# Altium PCB OECU_BASE.PcbDoc (part 4 of 6) (continued)
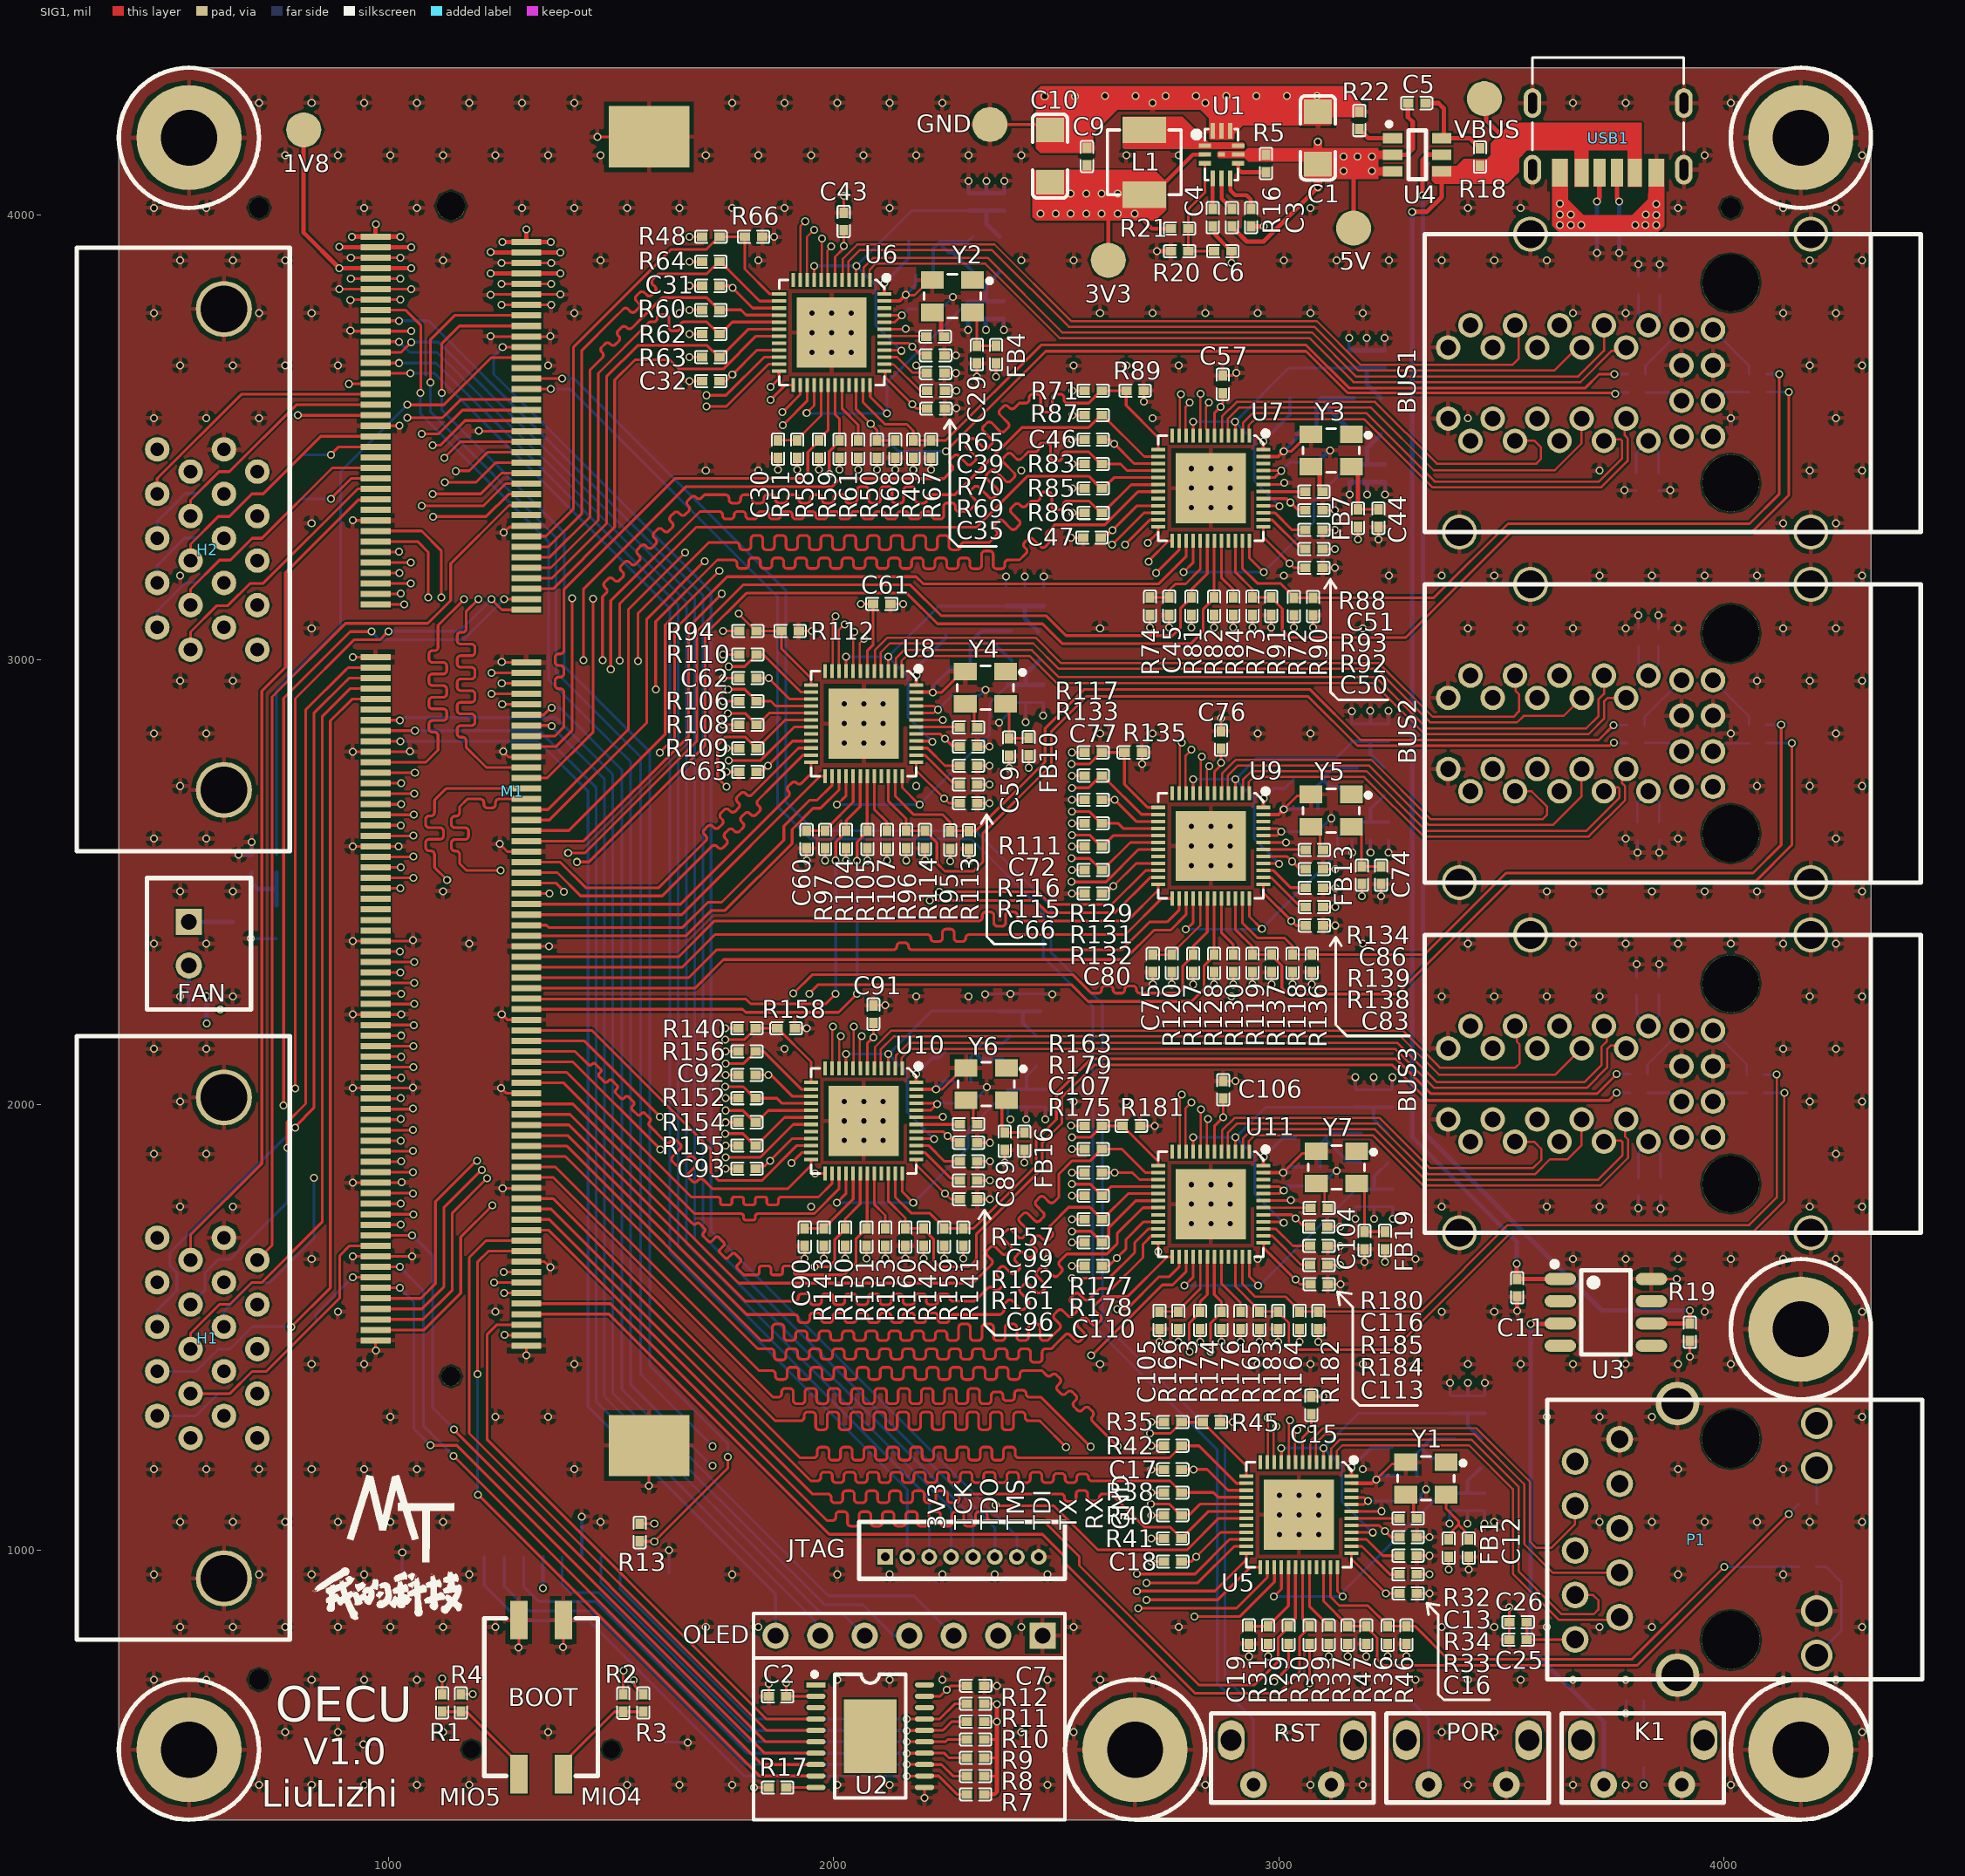
[diagram p0: SIG1 view]
## Nets (pads, with @x,y where several pads share a name; then routed paths per layer and width w, separated by ;. In a path a pad name is that pad's centre, name@x,y a point inside that pad or via, vN(x,y) a via of type N, cw(c..) or ccw(c..) an arc to the next point about the centre after c; other vN are vias at no path point) (continued)
IO35_9N: M1.153 U10.19 | length 1083.1
  SIG1 w6.16: M1.153@970.71,2061.33 1027.67,2061.33 v1(1028,2061) ; v1(1757,1882.5) 1835.48,1882.5 1845.38,1892.4 1909.13,1956.13 U10.19@1949.28,1956.13
  SIG2 w5.61: v1(1028,2061) 1268.5,2061 1296.57,2032.93 1606.57,2032.93 v1(1757,1882.5)
IO35_9P: M1.151 R155.1 U10.18 | length 1082.5
  SIG1 w6.16: M1.151@970.71,2084.96 v1(1056,2085) v1(1056,2085) ; v1(1756.5,1935.5) 1796.22,1935.5 1822.72,1909 R155.1@1824.68,1909 1826.65,1909 1889.53,1971.87 U10.18@1949.28,1971.87
  SIG2 w5.61: v1(1056,2085) 1269.86,2085 1303.36,2051.5 1649,2051.5 1727.5,1973 1727.5,1964.5 v1(1756.5,1935.5)
IO35_10N: M1.140 R105.1 U8.31 | length 1262
  SIG1 w6.16: M1.140@1309.29,2214.88 1795.38,2214.88 1802.26,2208 2011,2208 v1(2052.5,2249.5) ; v1(2052.5,2548.5) 2052.5,2590.53 2075.26,2613.29 U8.31@2075.26,2738.78
  SIG3 w6.16: v1(2052.5,2249.5) v1(2052.5,2548.5)
IO35_10P: M1.138 R104.1 U8.30 | length 1222.8
  SIG1 w6.16: M1.138@1309.65,2238.14 1802.36,2238.14 1813.5,2227 1982,2227 v1(2004.5,2249.5) ; v1(2004.5,2549) 2004.5,2590.53 2021.24,2607.27 R104.1@2028,2614.03 ; R104.1@2028,2616 R104.1@2028,2614.03 ; U8.30@2059.51,2738.78 2059.51,2670.35 2028,2638.83 R104.1@2028,2614.03
  SIG3 w6.16: v1(2004.5,2249.5) v1(2004.5,2549)
IO35_11N: M1.114 U8.23 | length 872.3
  SIG1 w6.16: M1.114@1309.29,2521.97 1379.03,2521.97 1431.42,2469.58 1614.74,2469.58 1705.56,2560.4 1726.23,2581.08 cw(c1731.78,2575.53) 1737.33,2581.08 1740.37,2578.03 ccw(c1745.92,2583.58) 1751.47,2578.03 1758.87,2585.43 ccw(c1753.32,2590.98) 1758.87,2596.53 1755.83,2599.57 cw(c1761.38,2605.12) 1755.83,2610.67 1763.23,2618.07 cw(c1768.78,2612.52) 1774.33,2618.07 1777.37,2615.03 ccw(c1782.92,2620.58) 1788.47,2615.03 1795.87,2622.43 ccw(c1790.32,2627.98) 1795.87,2633.53 1792.82,2636.57 cw(c1798.37,2642.12) 1792.82,2647.67 1800.22,2655.07 cw(c1805.77,2649.52) 1811.32,2655.07 1814.37,2652.02 ccw(c1819.91,2657.57) 1825.46,2652.02 1832.86,2659.42 ccw(c1827.31,2664.97) 1832.86,2670.52 1829.82,2673.57 cw(c1835.37,2679.11) 1829.82,2684.66 1863.76,2718.6 1931.18,2786.02 U8.23@1949.28,2786.02
IO35_11P: M1.112 U8.22 | length 873.3
  SIG1 w6.16: M1.112@1309.29,2545.59 1385.41,2545.59 1442.94,2488.06 1607.08,2488.06 1710.26,2591.24 1712.44,2593.42 ccw(c1706.89,2598.97) 1712.44,2604.52 1709.4,2607.56 cw(c1714.94,2613.11) 1709.4,2618.66 1716.79,2626.06 cw(c1722.34,2620.51) 1727.89,2626.06 1730.94,2623.01 ccw(c1736.49,2628.56) 1742.04,2623.01 1749.43,2630.41 ccw(c1743.89,2635.96) 1749.43,2641.51 1746.39,2644.56 cw(c1751.94,2650.1) 1746.39,2655.65 1753.79,2663.05 cw(c1759.34,2657.5) 1764.89,2663.05 1767.93,2660.01 ccw(c1773.48,2665.56) 1779.03,2660.01 1786.43,2667.41 ccw(c1780.88,2672.96) 1786.43,2678.51 1783.39,2681.55 cw(c1788.94,2687.1) 1783.39,2692.65 1790.79,2700.05 cw(c1796.34,2694.5) 1801.88,2700.05 1804.93,2697.01 ccw(c1810.48,2702.55) 1816.03,2697.01 1829.7,2710.67 1920.79,2801.77 U8.22@1949.28,2801.77
IO35_12N: M1.126 U8.27 | length 887.9
  SIG1 w6.16: M1.126@1309.29,2380.23 1668.23,2380.23 1725,2437 1756,2437 1906.5,2587.5 1906.5,2619 1954.02,2666.52 1970.65,2666.52 2012.27,2708.13 U8.27@2012.27,2738.78
IO35_12P: M1.124 U8.26 | length 860.5
  SIG1 w6.16: M1.124@1309.29,2403.85 1354.15,2403.85 1359.29,2398.71 1660.58,2398.71 1717.35,2455.48 1748.35,2455.48 1888.02,2595.15 1888.02,2626.65 1946.37,2685 1963,2685 1996.52,2718.52 U8.26@1996.52,2738.78
IO35_13N: M1.59 R110.1 U8.14 | length 1241.4
  SIG1 w6.16: M1.59@970.71,3266.06 1064.94,3266.06 1089,3242 v1(1089,3140) ; v1(1764.2,2985) 1799.69,2985 R110.1@1826.68,3012 1842,3012 1926.24,2927.76 U8.14@1949.28,2927.76
  SIG2 w5.61: v1(1089,3140) 1135.5,3093.5 1640.5,3093.5 1669.17,3064.83 1671.15,3062.85 ccw(c1676.58,3068.28) 1682.02,3062.85 1690.16,3070.99 cw(c1695.59,3065.55) 1701.02,3070.99 1708.27,3063.74 cw(c1702.83,3058.31) 1708.27,3052.88 1700.13,3044.74 ccw(c1705.56,3039.31) 1700.13,3033.87 1720.3,3013.7 1749,2985 v1(1764.2,2985)
IO35_13P: M1.57 R94.2 R112.1 U8.13 | length 1216.5
  SIG1 w6.16: M1.57@970.71,3289.68 1074.32,3289.68 1118,3246 v1(1118,3140) ; v1(1786.5,3104) 1786.5,3103.22 1824.72,3065 R112.1@1882.32,3065 1882.32,3025.68 1949.28,2958.72 U8.13@1949.28,2943.5
  SIG2 w5.61: v1(1118,3140) 1146.5,3111.5 1777.16,3111.5 1784.66,3104 v1(1786.5,3104)
IO35_14N: M1.146 U10.23 | length 796.2
  SIG1 w6.16: M1.146@1309.29,2144.01 1438.99,2144.01 v1(1609.5,1973.5) ; v1(1905,1869) 1929.13,1893.13 U10.23@1949.28,1893.13
  SIG2 w5.61: v1(1609.5,1973.5) 1610.5,1973.5 1754,1830 1866,1830 v1(1905,1869)
IO35_14P: M1.144 U10.22 | length 843.3
  SIG1 w6.16: M1.144@1309.29,2167.63 1456.37,2167.63 1724,1900 1724,1847.5 1741.5,1830 1838.5,1830 1917.38,1908.88 U10.22@1949.28,1908.88
IO35_15N: M1.199 R173.1 U11.30 | length 2505.9
  SIG1 w6.16: M1.199@970.71,1518.03 1077.16,1518.03 1143,1583.87 1143,1757 v1(1221,1835) ; v1(2800,1445) 2799,1446 2799,1509.72 2823,1533.72 2823,1557 2839.51,1573.51 U11.30@2839.51,1658.78
  SIG2 w5.61: v1(1221,1835) 1372.5,1835 1525.77,1681.74 1824.5,1383 2738,1383 v1(2800,1445)
IO35_15P: M1.201 R174.1 U11.31 | length 2503.8
  SIG1 w6.16: M1.201@970.71,1494.4 1079.67,1494.4 1162,1576.73 1162,1703 v1(1233,1774) ; v1(2847,1445) 2847,1509.72 2871,1533.72 2871,1558 2855.26,1573.74 U11.31@2855.26,1658.78
  SIG2 w5.61: v1(1233,1774) 1408.15,1774 1507.84,1674.31 1823.15,1359 2761,1359 v1(2847,1445)
IO35_17N: M1.159 R163.2 R181.1 U11.13 | length 2309.2
  SIG1 w6.16: M1.159@970.71,1990.47 1053.47,1990.47 v1(1055,1992) ; v1(2535,1927) 2576.68,1927 R163.2@2602.69,1953 R181.1@2649.32,1953 2649.32,1952.68 2729.28,1872.72 U11.13@2729.28,1863.5
  SIG2 w5.61: v1(1055,1992) 1393,1992 1777,1608 2295.64,1608 2307.73,1620.09 2309.72,1622.07 ccw(c2304.28,1627.51) 2309.72,1632.94 2306.59,1636.07 cw(c2312.02,1641.5) 2306.59,1646.93 2313.83,1654.18 cw(c2319.26,1648.74) 2324.7,1654.18 2327.83,1651.05 ccw(c2333.26,1656.48) 2338.69,1651.05 2345.94,1658.29 ccw(c2340.5,1663.72) 2345.94,1669.16 2342.81,1672.29 cw(c2348.24,1677.72) 2342.81,1683.15 2350.05,1690.39 cw(c2355.48,1684.96) 2360.92,1690.39 2364.04,1687.27 ccw(c2369.48,1692.7) 2374.91,1687.27 2382.15,1694.51 ccw(c2376.72,1699.94) 2382.15,1705.38 2379.02,1708.5 cw(c2384.46,1713.94) 2379.02,1719.37 2386.27,1726.61 cw(c2391.7,1721.18) 2397.13,1726.61 2400.26,1723.48 ccw(c2405.69,1728.92) 2411.13,1723.48 2418.37,1730.73 ccw(c2412.94,1736.16) 2418.37,1741.59 2415.24,1744.72 cw(c2420.68,1750.15) 2415.24,1755.59 2422.49,1762.83 cw(c2427.92,1757.4) 2433.35,1762.83 2436.48,1759.7 ccw(c2441.91,1765.14) 2447.35,1759.7 2454.59,1766.95 ccw(c2449.16,1772.38) 2454.59,1777.81 2451.46,1780.94 cw(c2456.89,1786.37) 2451.46,1791.81 2458.7,1799.05 cw(c2464.14,1793.62) 2469.57,1799.05 2472.7,1795.92 ccw(c2478.13,1801.35) 2483.56,1795.92 2495.25,1807.6 2497,1809.36 2497,1821.85 2497,1824.66 ccw(c2489.32,1824.66) 2489.32,1832.34 2484.68,1832.34 cw(c2484.68,1840.02) 2477,1840.02 2477,1850.27 cw(c2484.68,1850.27) 2484.68,1857.95 2489.32,1857.95 ccw(c2489.32,1865.63) 2497,1865.63 2497,1877.32 2497,1889 v1(2535,1927)
IO35_17P: M1.157 R150.1 U10.30 | length 1414.8
  SIG1 w6.16: M1.157@970.71,2014.09 1026.09,2014.09 v1(1027,2015) ; v1(1957,1636.5) 1989.48,1636.48 2002,1649 2002,1696.72 2026,1720.72 2026,1744 2059.51,1777.51 U10.30@2059.51,1845.89
  SIG2 w5.61: v1(1027,2015) 1398,2015 1777,1636 1956.5,1636 v1(1957,1636.5)
IO35_18N: M1.195 U11.26 | length 2341.7
  SIG1 w6.16: M1.195@970.71,1565.27 1072.14,1565.27 1105,1598.13 1105,1783 1196,1874 v1(1199,1874) ; v1(2637,1541) 2658.13,1541 2731.13,1614 2754,1614 2776.52,1636.52 U11.26@2776.52,1658.78
  SIG2 w5.61: v1(1199,1874) 1384.22,1874 1561.63,1696.59 1804.29,1453.93 2549.93,1453.93 2557.46,1461.46 2577.56,1481.56 cw(c2582.99,1476.12) 2588.42,1481.56 2592.04,1477.94 ccw(c2597.48,1483.37) 2602.91,1477.94 2610.15,1485.18 ccw(c2604.72,1490.61) 2610.15,1496.05 2606.53,1499.67 cw(c2611.96,1505.1) 2606.53,1510.53 v1(2637,1541)
IO35_18P: M1.197 U11.27 | length 2339.8
  SIG1 w6.16: M1.197@970.71,1541.65 1074.65,1541.65 1124,1591 1124,1769 v1(1209,1854) ; v1(2578,1437.5) 2580.77,1437.5 2738.79,1595.52 2761.65,1595.52 2792.27,1626.13 U11.27@2792.27,1658.78
  SIG2 w5.61: v1(1209,1854) 1378.86,1854 1543.7,1689.16 1796.86,1436 2576.5,1436 v1(2578,1437.5)
IO35_19N: M1.161 R175.1 U11.16 | length 2040
  SIG1 w6.16: M1.161@970.71,1966.85 1025.85,1966.85 v1(1027,1968) ; v1(2535,1822) 2576.68,1822 R175.1@2602.68,1796 2622.94,1816.26 U11.16@2729.28,1816.26
  SIG2 w5.61: v1(1027,1968) 1391.64,1968 1780.64,1579 2292,1579 v1(2535,1822)
IO35_19P: M1.163 R178.1 U11.18 | length 2057.7
  SIG1 w6.16: M1.163@970.71,1943.22 1054.22,1943.22 v1(1055,1944) ; v1(2535,1716) 2577.68,1716 R178.1@2602.68,1691 2618,1706.31 2618,1724 2678.76,1784.76 U11.18@2729.28,1784.76
  SIG2 w5.61: v1(1055,1944) 1390.29,1944 1774.29,1560 2318,1560 2413.08,1655.08 2433.17,1675.17 cw(c2437.14,1671.21) 2441.11,1675.17 2442.28,1674 ccw(c2445.9,1677.62) 2449.53,1674 2460.39,1684.86 ccw(c2456.77,1688.48) 2460.39,1692.11 2459.22,1693.28 cw(c2463.18,1697.25) 2459.21,1701.22 2466.66,1708.66 2473.52,1715.52 2474,1716 2521.18,1716 v1(2535,1716)
IO35_20N: M1.158 R151.1 U10.31 | length 1275.9
  SIG1 w6.16: M1.158@1309.29,2002.28 1413.72,2002.28 1680.54,1735.46 1682.72,1733.28 ccw(c1687.07,1737.64) 1691.43,1733.28 ; R151.1@2075.26,1725.68 U10.31@2075.26,1845.89 ; R151.1@2080,1728.68 R151.1@2074,1722.68 2074,1720.72 2067.24,1713.95 2065.27,1713.95 2050,1698.68 2050,1645 2023,1618 1936.11,1618 1917.28,1618 cw(c1917.28,1624.16) 1911.12,1624.16 1911.12,1632.77 ccw(c1905.89,1632.77) 1905.89,1638 1890.19,1638 ccw(c1890.19,1632.77) 1884.96,1632.77 1884.96,1623.21 cw(c1879.73,1623.21) 1879.73,1617.98 1864.03,1617.98 cw(c1864.03,1623.21) 1858.8,1623.21 1858.8,1632.77 ccw(c1853.57,1632.77) 1853.57,1638 1837.87,1638 ccw(c1837.87,1632.77) 1832.64,1632.77 1832.64,1624.16 cw(c1826.48,1624.16) 1826.48,1618 1823.4,1618 1802,1618 1798,1618 1797.82,1618.18 1783.92,1632.08 cw(c1788.27,1636.44) 1783.92,1640.79 1790,1646.88 ccw(c1786.3,1650.58) 1790,1654.28 1778.9,1665.38 ccw(c1775.21,1661.68) 1771.51,1665.38 1762.83,1656.7 cw(c1759.13,1660.4) 1755.43,1656.7 1744.33,1667.8 cw(c1748.03,1671.5) 1744.33,1675.2 1753.01,1683.88 ccw(c1749.31,1687.58) 1753.01,1691.28 1741.91,1702.38 ccw(c1738.21,1698.68) 1734.51,1702.38 1725.83,1693.7 cw(c1722.13,1697.4) 1718.44,1693.7 1707.34,1704.8 cw(c1711.04,1708.5) 1707.34,1712.2 1709.96,1714.82 ccw(c1706.26,1718.52) 1709.96,1722.22 1698.86,1733.32 ccw(c1695.16,1729.62) 1691.46,1733.32 ; 1691.43,1733.28 1691.46,1733.32
IO35_20P: M1.160 R179.1 U11.14 | length 1985.1
  SIG1 w6.16: M1.160@1309.29,1978.66 1407.34,1978.66 1786.5,1599.5 2312.5,1599.5 2352.25,1639.25 2354.43,1641.43 ccw(c2348.88,1646.98) 2354.43,1652.53 2344.95,1662.01 cw(c2350.5,1667.56) 2344.95,1673.1 2352.35,1680.5 cw(c2357.9,1674.95) 2363.45,1680.5 2378.11,1665.84 ccw(c2383.66,1671.39) 2389.21,1665.84 2396.61,1673.24 ccw(c2391.06,1678.79) 2396.61,1684.34 2381.03,1699.91 cw(c2386.58,1705.46) 2381.03,1711.01 2388.43,1718.41 cw(c2393.98,1712.86) 2399.53,1718.41 2415.11,1702.84 ccw(c2420.66,1708.39) 2426.2,1702.84 2433.6,1710.24 ccw(c2428.05,1715.79) 2433.6,1721.33 2418.03,1736.91 cw(c2423.58,1742.46) 2418.03,1748.01 2425.43,1755.41 cw(c2430.98,1749.86) 2436.53,1755.41 2452.1,1739.83 ccw(c2457.65,1745.38) 2463.2,1739.83 2470.6,1747.23 ccw(c2465.05,1752.78) 2470.6,1758.33 2455.03,1773.9 cw(c2460.58,1779.45) 2455.03,1785 2462.43,1792.4 cw(c2467.98,1786.85) 2473.52,1792.4 2483.91,1782.01 ccw(c2489.46,1787.56) 2495.01,1782.01 2506,1793 2506,1808 2506,1845 2535,1874 2575.69,1874 R179.1@2602.68,1901 2647,1901 2700.24,1847.76 U11.14@2729.28,1847.76
IO35_21N: M1.100 U8.19 | length 1740.2
  SIG1 w6.16: v1(1252,2527) 1174.5,2527 1159.48,2542.02 1159.48,2559.5 1159.48,2562.58 ccw(c1151.63,2562.58) 1151.63,2570.42 1148.67,2570.42 cw(c1148.67,2578.27) 1140.82,2578.27 1140.82,2588.74 cw(c1148.67,2588.74) 1148.67,2596.58 1171.63,2596.58 ccw(c1171.63,2604.43) 1179.48,2604.43 1179.48,2614.9 ccw(c1171.63,2614.9) 1171.63,2622.74 1148.82,2622.74 cw(c1148.82,2630.59) 1140.97,2630.59 1140.97,2641.06 cw(c1148.82,2641.06) 1148.82,2648.9 1151.63,2648.9 ccw(c1151.63,2656.75) 1159.48,2656.75 1159.48,2669.98 1176.82,2687.32 1206.06,2687.32 cw(c1206.06,2679.47) 1213.91,2679.47 1213.91,2675.17 ccw(c1221.76,2675.17) 1221.76,2667.32 1232.22,2667.32 ccw(c1232.22,2675.17) 1240.07,2675.17 1240.07,2679.47 cw(c1247.92,2679.47) 1247.92,2687.32 1275.83,2687.32 M1.100@1309.29,2687.32 ; v1(1764,2774) 1836,2774 1911.02,2849.02 U8.19@1949.28,2849.02
  SIG2 w5.61: v1(1252,2527) 1253.07,2528.07 1436.57,2528.07 1474,2565.5 1476.81,2565.5 ccw(c1476.81,2573.18) 1484.49,2573.18 1484.49,2577.82 cw(c1492.17,2577.82) 1492.17,2585.5 1502.42,2585.5 cw(c1502.42,2577.82) 1510.1,2577.82 1510.1,2553.18 ccw(c1517.78,2553.18) 1517.78,2545.5 1528.03,2545.5 ccw(c1528.03,2553.18) 1535.71,2553.18 1535.71,2577.82 cw(c1543.39,2577.82) 1543.39,2585.5 1553.64,2585.5 cw(c1553.64,2577.82) 1561.32,2577.82 1561.32,2553.18 ccw(c1569,2553.18) 1569,2545.5 1579.25,2545.5 ccw(c1579.25,2553.18) 1586.93,2553.18 1586.93,2577.82 cw(c1594.61,2577.82) 1594.61,2585.5 1604.86,2585.5 cw(c1604.86,2577.82) 1612.54,2577.82 1612.54,2553.18 ccw(c1620.22,2553.18) 1620.22,2545.5 1630.47,2545.5 ccw(c1630.47,2553.18) 1638.15,2553.18 1638.15,2557.82 cw(c1645.83,2557.82) 1645.83,2565.5 1661,2565.5 1692.5,2597 1692.5,2614.01 1692.5,2616.82 ccw(c1684.82,2616.82) 1684.82,2624.5 1680.18,2624.5 cw(c1680.18,2632.19) 1672.5,2632.19 1672.5,2642.43 cw(c1680.18,2642.43) 1680.18,2650.11 1704.82,2650.11 ccw(c1704.82,2657.8) 1712.5,2657.8 1712.5,2668.04 ccw(c1704.82,2668.04) 1704.82,2675.72 1680.18,2675.72 cw(c1680.18,2683.41) 1672.5,2683.41 1672.5,2693.65 cw(c1680.18,2693.65) 1680.18,2701.33 1704.82,2701.33 ccw(c1704.82,2709.02) 1712.5,2709.02 1712.5,2719.26 ccw(c1704.82,2719.26) 1704.82,2726.94 1700.18,2726.94 cw(c1700.18,2734.63) 1692.5,2734.63 1692.5,2752.5 1713.9,2773.9 1763.9,2773.9 v1(1764,2774)
IO35_21P: M1.98 R109.1 U8.18 | length 2204.4
  SIG1 w6.16: v1(1131.5,2505.5) 1131,2505.5 1103,2533.5 1103,2559.79 1103,2562.87 ccw(c1095.15,2562.87) 1095.15,2570.71 1090.85,2570.71 cw(c1090.85,2578.56) 1083,2578.56 1083,2589.03 cw(c1090.85,2589.03) 1090.85,2596.87 1115.15,2596.87 ccw(c1115.15,2604.72) 1123,2604.72 1123,2615.19 ccw(c1115.15,2615.19) 1115.15,2623.03 1090.85,2623.03 cw(c1090.85,2630.88) 1083,2630.88 1083,2641.35 cw(c1090.85,2641.35) 1090.85,2649.19 1095.15,2649.19 ccw(c1095.15,2657.04) 1103,2657.04 1103,2674.07 1103,2685 1128.94,2710.94 M1.98@1309.29,2710.94 ; v1(1759,2715) 1739,2735 1739,2809 1757,2827 1800.68,2827 R109.1@1826.68,2801 1890.45,2864.76 U8.18@1949.28,2864.76
  SIG2 w5.61: v1(1131.5,2505.5) 1132,2506 1146.39,2506 1149.19,2506 ccw(c1149.19,2513.68) 1156.88,2513.68 1156.88,2518.32 cw(c1164.56,2518.32) 1164.56,2526 1174.8,2526 cw(c1174.8,2518.32) 1182.49,2518.32 1182.49,2493.68 ccw(c1190.17,2493.68) 1190.17,2486 1200.41,2486 ccw(c1200.41,2493.68) 1208.1,2493.68 1208.1,2518.32 cw(c1215.78,2518.32) 1215.78,2526 1226.02,2526 cw(c1226.02,2518.32) 1233.71,2518.32 1233.71,2493.68 ccw(c1241.39,2493.68) 1241.39,2486 1251.63,2486 ccw(c1251.63,2493.68) 1259.32,2493.68 1259.32,2502.46 cw(c1267,2502.46) 1267,2510.14 1277.24,2510.14 cw(c1277.24,2502.46) 1284.93,2502.46 1284.93,2493.68 ccw(c1292.61,2493.68) 1292.61,2486 1302.85,2486 ccw(c1302.85,2493.68) 1310.54,2493.68 1310.54,2498.32 cw(c1318.22,2498.32) 1318.22,2506 1402.55,2506 1451.8,2506 1454.61,2506 ccw(c1454.61,2513.68) 1462.29,2513.68 1462.29,2518.32 cw(c1469.97,2518.32) 1469.97,2526 1480.22,2526 cw(c1480.22,2518.32) 1487.9,2518.32 1487.9,2504.11 ccw(c1495.58,2504.11) 1495.58,2496.43 1505.83,2496.43 ccw(c1505.83,2504.11) 1513.51,2504.11 1513.51,2518.32 cw(c1521.19,2518.32) 1521.19,2526 1531.44,2526 cw(c1531.44,2518.32) 1539.12,2518.32 1539.12,2504.11 ccw(c1546.8,2504.11) 1546.8,2496.43 1557.05,2496.43 ccw(c1557.05,2504.11) 1564.73,2504.11 1564.73,2518.32 cw(c1572.41,2518.32) 1572.41,2526 1582.66,2526 cw(c1582.66,2518.32) 1590.34,2518.32 1590.34,2504.11 ccw(c1598.02,2504.11) 1598.02,2496.43 1608.27,2496.43 ccw(c1608.27,2504.11) 1615.95,2504.11 1615.95,2518.32 cw(c1623.63,2518.32) 1623.63,2526 1633.88,2526 cw(c1633.88,2518.32) 1641.56,2518.32 1641.56,2504.11 ccw(c1649.24,2504.11) 1649.24,2496.43 1659.49,2496.43 ccw(c1659.49,2504.11) 1667.17,2504.11 1667.17,2518.32 cw(c1674.85,2518.32) 1674.85,2526 1685.1,2526 cw(c1685.1,2518.32) 1692.78,2518.32 1692.78,2513.68 ccw(c1700.46,2513.68) 1700.46,2506 1717.5,2506 1719.98,2508.48 1759,2547.5 1759,2555.42 1759,2558.23 ccw(c1751.32,2558.23) 1751.32,2565.91 1746.68,2565.91 cw(c1746.68,2573.59) 1739,2573.59 1739,2583.84 cw(c1746.68,2583.84) 1746.68,2591.52 1771.32,2591.52 ccw(c1771.32,2599.2) 1779,2599.2 1779,2609.45 ccw(c1771.32,2609.45) 1771.32,2617.13 1746.68,2617.13 cw(c1746.68,2624.81) 1739,2624.81 1739,2635.06 cw(c1746.68,2635.06) 1746.68,2642.74 1771.32,2642.74 ccw(c1771.32,2650.42) 1779,2650.42 1779,2660.67 ccw(c1771.32,2660.67) 1771.32,2668.35 1746.68,2668.35 cw(c1746.68,2676.03) 1739,2676.03 1739,2686.28 cw(c1746.68,2686.28) 1746.68,2693.96 1751.32,2693.96 ccw(c1751.32,2701.64) 1759,2701.64 v1(1759,2715)
IO35_22N: M1.152 U10.26 | length 915.2
  SIG1 w6.16: M1.152@1309.29,2073.15 1399.85,2073.15 1680,1793 1709.81,1793 1739.05,1793 cw(c1739.05,1786.84) 1745.21,1786.84 1745.21,1780.81 ccw(c1750.45,1780.81) 1750.45,1775.58 1766.14,1775.58 ccw(c1766.14,1780.81) 1771.37,1780.81 1771.37,1787.81 cw(c1776.61,1787.81) 1776.61,1793.04 1792.3,1793.04 cw(c1792.3,1787.81) 1797.53,1787.81 1797.53,1780.81 ccw(c1802.77,1780.81) 1802.77,1775.58 1818.46,1775.58 ccw(c1818.46,1780.81) 1823.69,1780.81 1823.69,1787.81 cw(c1828.93,1787.81) 1828.93,1793.04 1844.62,1793.04 cw(c1844.62,1787.81) 1849.85,1787.81 1849.85,1780.81 ccw(c1855.09,1780.81) 1855.09,1775.58 1870.78,1775.58 ccw(c1870.78,1780.81) 1876.01,1780.81 1876.01,1786.84 cw(c1882.17,1786.84) 1882.17,1793 1919.34,1793 1966,1793 1996.52,1823.52 U10.26@1996.52,1845.89
IO35_22P: M1.154 U10.27 | length 901.6
  SIG1 w6.16: M1.154@1309.29,2049.52 1393.48,2049.52 1687.5,1755.5 1762.29,1755.5 1791.53,1755.5 cw(c1791.53,1749.34) 1797.69,1749.34 1797.69,1746.12 ccw(c1802.93,1746.12) 1802.93,1740.88 1818.62,1740.88 ccw(c1818.62,1746.12) 1823.85,1746.12 1823.85,1749.34 cw(c1830.01,1749.34) 1830.01,1755.5 1862.87,1755.5 1956,1755.5 2012.27,1811.77 U10.27@2012.27,1845.89
IO35_23N: M1.150 U10.25 | length 969.1
  SIG1 w6.16: M1.150@1309.29,2096.77 1413.73,2096.77 v1(1610.5,1900) ; v1(1958.5,1846) 1958.61,1845.89 U10.25@1980.77,1845.89
  SIG2 w5.61: v1(1610.5,1900) 1624.52,1885.98 1626.5,1884 ccw(c1630.47,1887.97) 1634.43,1884 1640.99,1890.55 cw(c1644.61,1886.93) 1648.23,1890.55 1659.1,1879.69 cw(c1655.47,1876.07) 1659.1,1872.44 1638.06,1851.4 ccw(c1641.68,1847.78) 1638.06,1844.16 1648.92,1833.3 ccw(c1652.54,1836.92) 1656.16,1833.3 1677.2,1854.34 cw(c1680.83,1850.71) 1684.45,1854.34 1695.31,1843.47 cw(c1691.69,1839.85) 1695.31,1836.23 1688.76,1829.67 ccw(c1692.73,1825.71) 1688.76,1821.74 1699,1811.5 1709.43,1811.5 1737.85,1811.5 cw(c1737.85,1805.89) 1743.46,1805.89 1743.46,1796.62 ccw(c1748.58,1796.62) 1748.58,1791.5 1763.95,1791.5 ccw(c1763.95,1796.62) 1769.07,1796.62 1769.07,1806.95 cw(c1774.19,1806.95) 1774.19,1812.07 1789.56,1812.07 cw(c1789.56,1806.95) 1794.68,1806.95 1794.68,1796.62 ccw(c1799.8,1796.62) 1799.8,1791.5 1815.17,1791.5 ccw(c1815.17,1796.62) 1820.29,1796.62 1820.29,1805.89 cw(c1825.9,1805.89) 1825.9,1811.5 1875.47,1811.5 1924,1811.5 v1(1958.5,1846)
IO35_23P: M1.148 U10.24 | length 1003.9
  SIG1 w6.16: M1.148@1309.29,2120.39 1418.61,2120.39 1445.78,2093.22 1447.96,2091.04 ccw(c1452.31,2095.4) 1456.67,2091.04 1457.55,2091.92 cw(c1461.24,2088.22) 1464.94,2091.92 1476.04,2080.82 cw(c1472.34,2077.12) 1476.04,2073.42 1473.33,2070.71 ccw(c1477.03,2067.01) 1473.33,2063.31 1484.43,2052.21 ccw(c1488.13,2055.91) 1491.82,2052.21 1494.54,2054.93 cw(c1498.24,2051.23) 1501.94,2054.93 1513.04,2043.83 cw(c1509.34,2040.13) 1513.04,2036.43 1510.32,2033.71 ccw(c1514.02,2030.01) 1510.32,2026.31 1521.42,2015.21 ccw(c1525.12,2018.91) 1528.82,2015.21 1531.54,2017.93 cw(c1535.24,2014.23) 1538.94,2017.93 1550.03,2006.83 cw(c1546.34,2003.13) 1550.03,1999.43 1547.32,1996.72 ccw(c1551.02,1993.02) 1547.32,1989.32 1558.42,1978.22 ccw(c1562.12,1981.92) 1565.82,1978.22 1568.53,1980.93 cw(c1572.23,1977.23) 1575.93,1980.93 1587.03,1969.83 cw(c1583.33,1966.14) 1587.03,1962.44 1586.15,1961.56 ccw(c1590.51,1957.2) 1586.15,1952.85 1617.96,1921.04 1620.14,1918.86 1622.32,1916.68 ccw(c1627.87,1922.23) 1633.42,1916.68 1636.46,1919.72 cw(c1642.01,1914.17) 1647.56,1919.72 1654.96,1912.32 cw(c1649.41,1906.77) 1654.96,1901.22 1637.78,1884.04 ccw(c1643.32,1878.49) 1637.78,1872.94 1645.17,1865.54 ccw(c1650.72,1871.09) 1656.27,1865.54 1673.46,1882.73 cw(c1679.01,1877.18) 1684.56,1882.73 1691.96,1875.33 cw(c1686.41,1869.78) 1691.96,1864.23 1674.77,1847.04 ccw(c1680.32,1841.49) 1674.77,1835.94 1682.17,1828.55 ccw(c1687.72,1834.09) 1693.27,1828.55 1696.31,1831.59 cw(c1701.86,1826.04) 1707.41,1831.59 1727.48,1811.52 1751.25,1811.52 1897.02,1811.52 1949.28,1863.78 U10.24@1949.28,1877.39
IO35_24N: M1.122 U8.25 | length 800.4
  SIG1 w6.16: M1.122@1309.29,2427.48 1658.48,2427.48 1969.78,2738.78 U8.25@1980.77,2738.78
IO35_24P: M1.120 U8.24 | length 806
  SIG1 w6.16: M1.120@1309.29,2451.1 1655.96,2451.1 1896.21,2691.34 1898.39,2693.52 ccw(c1892.84,2699.07) 1898.39,2704.62 1898.12,2704.89 cw(c1903.67,2710.43) 1898.12,2715.98 1905.52,2723.38 cw(c1911.07,2717.83) 1916.62,2723.38 1916.89,2723.12 ccw(c1922.44,2728.67) 1927.98,2723.12 1942.71,2737.84 1949.28,2744.41 U8.24@1949.28,2770.28
J_TCK: JTAG.2 M1.27 | length 3232.3
  SIG1 w6.16: M1.27@970.71,3644.02 v1(1049,3644)
  SIG3 w6.16: v1(1049,3644) 1103.33,3644 1309.79,3437.54 1632.04,3115.29 1632.04,1668.76 2165.35,1135.45 JTAG.2@2165.35,984.25
J_TDI: JTAG.5 M1.23 | length 3378
  SIG1 w6.16: M1.23@970.71,3691.26 970.97,3691 1028,3691 v1(1051,3714)
  SIG3 w6.16: v1(1051,3714) 1111.73,3714 1332.75,3492.98 1687.48,3138.25 1687.48,1698.32 1706.97,1678.83 1706.97,1677.97 2312.99,1071.94 JTAG.5@2312.99,984.25
J_TDO: JTAG.3 M1.25 | length 3277.8
  SIG1 w6.16: M1.25@970.71,3667.64 971.35,3667 v1(1023,3667)
  SIG3 w6.16: v1(1023,3667) 1106.46,3667 1317.44,3456.02 1650.52,3122.94 1650.52,1680.28 2214.57,1116.24 JTAG.3@2214.57,984.25
J_TMS: JTAG.4 M1.21 | length 3333.1
  SIG1 w6.16: M1.21@970.71,3714.88 970.83,3715 v1(1023,3715)
  SIG3 w6.16: v1(1023,3715) 1047,3691 1108.6,3691 1325.1,3474.5 1669,3130.6 1669,1687.94 2263.78,1093.16 JTAG.4@2263.78,984.25
LED1_GP: R49.2 R67.1 R186.1 U6.35 | length 1946.8
  SIG1 w6: U6.35@2066.25,3617.28 2066.25,3578.25 2115.32,3529.18 2164.32,3529.18 2179,3514.5 R49.2@2179,3493.19 2251.69,3493.19 2466,3707.5 3061.5,3707.5 3158,3611 3689,3611 3720,3642 v1(3754,3642)
  SIG3 w6: v1(3754,3642) 3754.22,3642.22 R186.1@3784.63,3642.22
LED1_YN: R50.2 R68.1 R187.1 U6.34 | length 2046.3
  SIG1 w6: U6.34@2050.5,3617.28 2050.5,3563 v1(2083,3530.5) 2097,3516.5 R50.2@2097,3493.19 R68.1@2138,3493.18 ; v1(2252,3469) 2476.5,3693.5 3061.36,3693.5 3154.62,3600.24 3753.76,3600.24 v1(3756,3598)
  SIG3 w6: v1(2083,3530.5) 2144.5,3469 v1(2252,3469) ; v1(3756,3598) 3759.17,3598 3762.39,3601.22 R187.1@3785.63,3601.22
LED2_GP: R72.2 R90.1 R188.2 U7.35 | length 1692
  SIG1 w6: U7.35@2918.25,3267.78 2918.25,3205.75 2952,3172 3003.65,3172 3034,3141.65 R72.2@3034,3139.69 R90.1@3077,3139.68 3348.69,3139.69 3515,3306 4058,3306 4125,3373 v1(4125,3642)
  SIG3 w6: R188.2@4096,3642.22 4124.78,3642.22 v1(4125,3642)
LED2_YN: R73.2 R91.1 R189.1 U7.34 | length 1831.2
  SIG1 w6: R91.1@2983,3140 2983,3138.03 2989.84,3131.19 2991.81,3131.19 3008,3115 3008,3066.51 3024.51,3050 3285,3050 3523,3288 4064,3288 4146,3370 v1(4146,3602)
  SIG1 w6.16: U7.34@2902.5,3267.78 2902.5,3197.5 2941,3159 R73.2@2941,3140 R91.1@2983,3140
  SIG3 w6: R189.1@4095,3602.22 4145.78,3602.22 v1(4146,3602)
LED3_GP: R95.2 R113.1 R193.1 U8.35 | length 1972.2
  SIG1 w6: U8.35@2138.25,2738.78 2138.25,2693.75 2180,2652 2245,2652 2261.5,2635.5 R95.2@2261.5,2614.66 ; R95.2@2261.5,2615.98 2304,2615.98 R113.1@2304,2616.65 ; R113.1@2304,2614.68 2304.64,2615.33 2319.33,2615.33 2475.02,2771.02 2475.02,2846.02 2563,2934 3070,2934 3184,2820 3719,2820 v1(3752,2853)
  SIG3 w6: v1(3752,2853) 3752.22,2853.22 R193.1@3782.63,2853.22
LED3_YN: R96.2 R114.1 R194.1 U8.34 | length 2117.5
  SIG1 w6: U8.34@2122.5,2738.78 2122.5,2683.5 2163,2643 R96.2@2163,2616 R114.1@2205,2616 2232,2589 2232,2543 2250,2525 2314.5,2525 2335,2545.5 2335,2610 2489,2764 2489,2839 2568,2918 3066,2918 3177,2807 3743.63,2807 3750.63,2814 v1(3753,2814)
  SIG3 w6: v1(3753,2814) 3753.78,2813.22 R194.1@3782.63,2813.22
LED4_GP: R118.2 R136.1 R195.2 U9.35 | length 1711.7
  SIG1 w6: U9.35@2918.25,2463.78 2918.25,2408.75 2952,2375 3013,2375 3031,2357 R118.2@3031,2338 3031.32,2337.68 R136.1@3074,2337.68 3327.68,2337.68 3511,2521 4066,2521 4129,2584 v1(4129,2854)
  SIG3 w6: R195.2@4095.69,2854 v1(4129,2854)
LED4_YN: R119.2 R137.1 R196.1 U9.34 | length 1846.1
  SIG1 w6.16: U9.34@2902.5,2463.78 2902.5,2394.5 2941,2356 R119.2@2941,2337.69 R137.1@2984,2337.68 2984,2335.72 3007,2312.72 3007,2263 3021,2249 3266,2249 3316.62,2299.62 3520,2503 4072,2503 4153,2584 v1(4153,2813)
  SIG3 w6.16: R196.1@4095.68,2813 v1(4153,2813)
LED5_GP: R141.2 R159.1 R197.1 U10.35 | length 2011.8
  SIG1 w6: R141.2@2291,1722.69 2314.69,1722.69 2455,1863 2455,1922 2500.5,1967.5 2500.5,2025.5 2579,2104 3263,2104 3342,2025 3715,2025 v1(3759,2069)
  SIG1 w6.16: U10.35@2138.25,1845.89 2138.25,1792.75 2174,1757 2215.65,1757 2248,1724.65 R159.1@2248,1722.68 R141.2@2291,1722.69
  SIG3 w6: v1(3759,2069) R197.1@3789.32,2069